# Altium PCB cyber60-alps.PcbDoc (part 2 of 4)
Units mm, origin at the board's own origin, x right, y up, seen from the top; angles counter-clockwise.
Board outline 284.73 x 94.2 mm, 2 copper layers (Component Side, Bottom Layer), stack 1.571 mm thick; 243 components, 151 nets, 841 pads, 663 vias.
Unrouted connection lines stored in the file: 6.
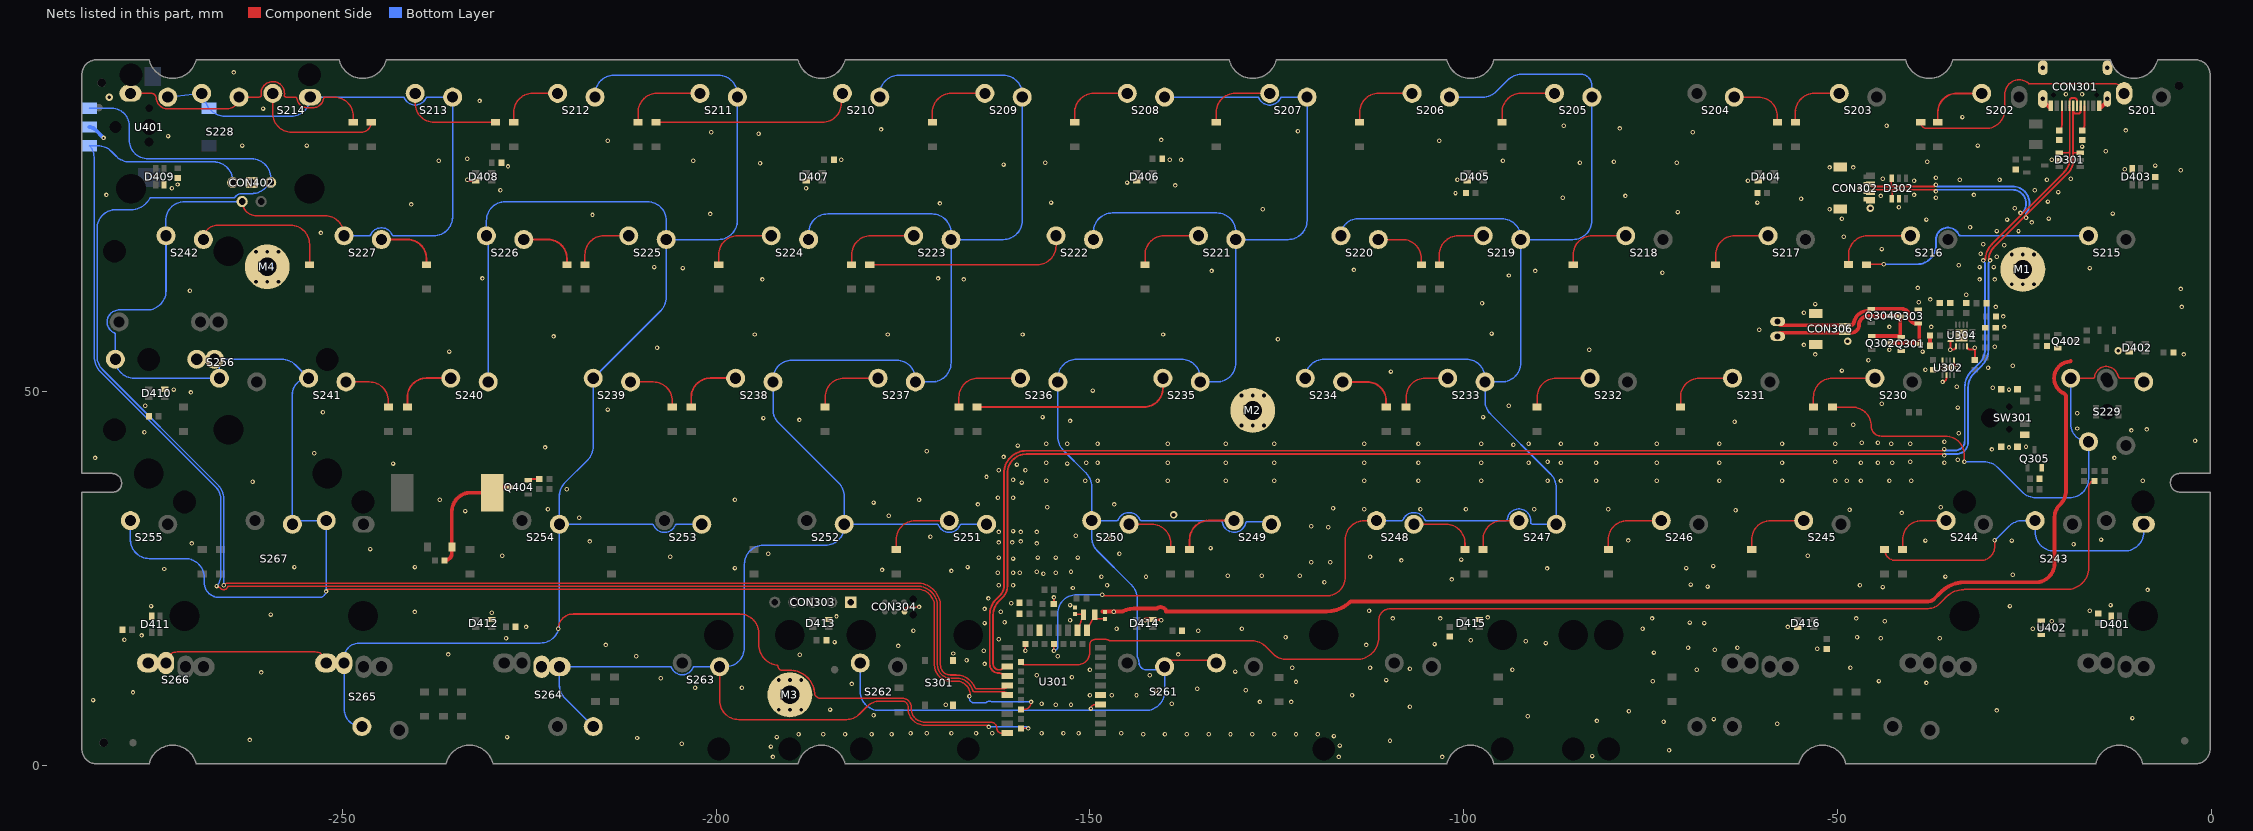
[diagram p2: the nets of this part, all layers, seen from the top]

## Via types
v1: diameter 0.6, hole 0.3, Component Side to Bottom Layer, tented both sides, 651 vias
v2: diameter 1, hole 0.5, Component Side to Bottom Layer, tented both sides, 5 vias
v3: diameter 1.5, hole 0.75, Component Side to Bottom Layer, tented both sides, 5 vias
v4: diameter 1.5, hole 0.8, Component Side to Bottom Layer, tented both sides, 2 vias

## Nets (pads, with @x,y where several pads share a name; then routed paths per layer and width w, separated by ;. In a path a pad name is that pad's centre, name@x,y a point inside that pad or via, vN(x,y) a via of type N, cw(c..) or ccw(c..) an arc to the next point about the centre after c; other vN are vias at no path point) (continued)
col3: S205.2 S206.2 S219.2 S220.2 S233.2 S234.2 S247.2 S248.2 U301.18 | length 237.1
  Component Side w0.203: v1(-154.813,15.367) U301.18@-154.813,16.256 ; v1(-148.336,22.86) -148.229,22.86 -148.057,22.689 -118.364,22.689 ccw(c-118.364,25.229) -115.824,25.229 -115.824,30.225 cw(c-113.284,30.225) -113.284,32.765 S248.2@-111.662,32.765
  Bottom Layer w0.203: v1(-154.813,15.367) ccw(c-154.813,15.875) -154.305,15.875 -154.305,20.32 cw(c-151.765,20.32) -151.765,22.86 v1(-148.336,22.86) ; S234.2@-121.187,51.815 ccw(c-120.687,51.815) S234.2@-120.687,51.315 ; S234.2@-121.187,51.815 cw(c-118.647,51.816) -118.647,54.356 -99.677,54.356 cw(c-99.677,51.816) -97.137,51.816 S233.2@-97.137,51.315 ; S220.2@-115.925,70.365 cw(c-115.925,70.865) S220.2@-116.425,70.865 cw(c-114.138,70.865) -114.138,73.152 -94.915,73.152 cw(c-94.915,70.612) -92.375,70.612 S219.2@-92.375,70.365 ; S248.2@-111.662,32.765 -108.292,32.765 ccw(c-108.292,32.968) -108.105,32.888 cw(c-106.662,32.265) -105.219,32.887 ccw(c-105.033,32.968) -105.033,32.765 -94.375,32.765 ccw(c-94.375,32.968) -94.174,32.945 cw(c-92.612,32.765) -91.051,32.944 ; S206.2@-101.9,89.415 -97.438,89.415 ccw(c-97.438,91.955) -95.642,90.159 -94.089,91.712 cw(c-92.293,89.916) -92.293,92.456 -84.328,92.456 cw(c-84.328,90.978) -82.85,90.978 S205.2@-82.85,89.415 -82.85,72.905 cw(c-85.39,72.905) -85.39,70.365 S219.2@-92.375,70.365 ; -91.118,33.252 cw(c-92.612,32.765) -91.051,32.944 ; S233.2@-97.137,51.315 -97.137,48.804 ccw(c-94.597,48.804) -96.394,47.008 -88.356,38.971 cw(c-90.152,37.175) -87.612,37.175 S247.2@-87.612,32.265 -90.558,32.265 cw(c-90.558,33.147) -90.942,32.353 cw(c-90.852,32.535) -91.054,32.562 ccw(c-92.612,32.765) -91.051,32.944 ; S233.2@-97.137,51.315 -94.915,51.315 ccw(c-94.915,53.855) -92.375,53.855 S219.2@-92.375,70.365
col4: S207.2 S208.2 S221.2 S222.2 S235.2 S236.2 S249.2 S250.2 S261.1 S262.2 U301.4 | length 250.6
  Component Side w0.203: v1(-149.86,7.62) cw(c-149.344,7.62) -149.344,8.136 U301.4@-148.563,8.136 ; S261.1@-139.999,13.215 cw(c-139.117,13.215) -139.117,14.097 -133.475,14.097 S261.1@-133.093,13.715
  Bottom Layer w0.203: S262.2@-180.718,13.715 -180.718,9.906 ccw(c-178.178,9.906) -178.178,7.366 -142.539,7.366 ccw(c-142.539,9.906) -139.999,9.906 S261.1@-139.999,13.215 cw(c-140.387,13.215) -140.387,12.827 -142.475,12.827 cw(c-142.475,13.781) -143.428,13.731 ; S222.2@-149.525,70.365 -149.525,71.374 cw(c-146.985,71.374) -146.985,73.914 -133.015,73.914 cw(c-133.015,71.374) -130.475,71.374 S221.2@-130.475,70.365 ; -143.435,13.57 ccw(c-144.999,13.715) -143.428,13.731 ; S208.2@-140,89.415 -127.581,89.415 cw(c-127.58,89.212) -127.393,89.292 ccw(c-125.95,89.915) -124.507,89.292 cw(c-124.32,89.212) -124.319,89.415 S207.2@-120.95,89.415 -120.95,72.905 cw(c-123.49,72.905) -123.49,70.365 S221.2@-130.475,70.365 ; S261.1@-133.872,12.936 -133.593,13.215 ccw(c-133.593,13.715) S261.1@-133.093,13.715 ; S249.2@-125.712,32.265 -125.997,32.549 ccw(c-126.14,32.405) -126.14,32.609 -128.975,32.609 ccw(c-128.974,32.405) -129.173,32.448 cw(c-130.712,32.765) -132.274,32.586 ccw(c-132.475,32.562) -132.474,32.765 -138.536,32.765 ccw(c-138.535,32.562) -138.59,32.757 cw(c-138.811,33.528) -139.032,32.757 ccw(c-139.087,32.562) -139.086,32.765 -143.134,32.765 cw(c-143.133,32.968) -143.319,32.887 ccw(c-144.762,32.265) -146.206,32.887 cw(c-146.392,32.968) -146.391,32.765 S250.2@-149.762,32.765 ; S250.2@-149.762,32.765 -149.762,37.321 ccw(c-152.328,37.321) -150.514,39.135 -153.554,42.175 cw(c-151.74,43.989) -154.305,43.989 -154.305,46.355 ccw(c-154.347,46.397) -154.287,46.397 S236.2@-154.287,51.315 -154.287,51.816 cw(c-151.747,51.816) -151.747,54.356 -137.777,54.356 cw(c-137.777,51.816) -135.237,51.816 S235.2@-135.237,51.315 -133.015,51.315 ccw(c-133.015,53.855) -130.475,53.855 S221.2@-130.475,70.365 ; S250.2@-149.762,32.765 -149.762,30.556 ccw(c-147.197,30.556) -149.011,28.742 -144.42,24.151 cw(c-146.234,22.337) -143.669,22.337 -143.669,14.606 ccw(c-143.465,14.607) -143.641,14.506 cw(c-144.999,13.715) -143.589,14.408 cw(c-144.999,13.715) -143.428,13.731
col5: S209.2 S210.2 S223.2 S224.2 S237.2 S238.2 S251.2 S252.2 S263.2 S264.1 U301.42 | length 277.6
  Component Side w0.203: S263.2@-199.531,13.215 -199.531,8.688 ccw(c-196.991,8.688) -196.991,6.148 -182.561,6.148 ccw(c-182.561,8.571) -180.848,6.858 -179.836,7.87 cw(c-178.04,6.074) -178.04,8.614 -175.112,8.614 cw(c-175.112,7.812) -174.515,8.347 cw(c-174.667,8.212) -174.511,8.342 -174.483,8.309 cw(c-174.639,8.179) -174.48,8.305 cw(c-175.112,7.812) -174.311,7.812 -174.311,7.62 ccw(c-172.085,7.62) -174.268,7.185 -174.267,7.184 ccw(c-172.085,7.62) -172.746,5.495 cw(c-172.806,5.301) -172.741,5.493 ccw(c-172.145,7.239) -172.145,5.394 v1@-163.576,5.394 ; U301.42@-159.213,4.961 v1(-158.242,4.961) v1@-158.242,4.953
  Bottom Layer w0.203: S264.1@-216.437,5.215 -220.218,8.996 cw(c-218.422,10.792) -220.962,10.792 S264.1@-220.962,13.215 -206.162,13.215 cw(c-206.161,13.012) -205.974,13.092 ccw(c-204.531,13.715) -203.088,13.092 cw(c-202.901,13.012) -202.9,13.215 S263.2@-199.531,13.215 -198.755,13.215 ccw(c-198.755,15.755) -196.215,15.755 -196.215,26.924 cw(c-193.675,26.924) -193.675,29.464 -185.402,29.464 ccw(c-185.402,32.004) -182.862,32.004 S252.2@-182.862,32.265 ; S224.2@-187.625,70.365 -187.625,71.247 cw(c-185.085,71.247) -185.085,73.787 -171.115,73.787 cw(c-171.115,71.247) -168.575,71.247 S223.2@-168.575,70.365 ; S210.2@-178.1,89.415 -178.1,89.789 cw(c-175.56,89.789) -175.56,92.329 -161.59,92.329 cw(c-161.59,89.789) -159.05,89.789 S209.2@-159.05,89.415 -159.05,72.905 cw(c-161.59,72.905) -161.59,70.365 S223.2@-168.575,70.365 ; S251.2@-163.812,32.265 -167.182,32.265 ccw(c-167.183,32.062) -167.369,32.142 cw(c-168.812,32.765) -170.255,32.142 ccw(c-170.442,32.062) -170.443,32.265 S252.2@-182.862,32.265 ; v1(-163.529,5.16) -158.441,5.16 cw(c-158.441,4.961) v1(-158.242,4.961) ; S252.2@-182.862,32.265 -182.862,36.014 ccw(c-185.402,36.014) -183.606,37.81 -191.644,45.848 cw(c-189.847,47.644) -192.387,47.644 S238.2@-192.387,51.315 -192.387,51.689 cw(c-189.847,51.689) -189.847,54.229 -175.877,54.229 cw(c-175.877,51.689) -173.337,51.689 S237.2@-173.337,51.315 -171.115,51.315 ccw(c-171.115,53.855) -168.575,53.855 S223.2@-168.575,70.365
col6: S211.2 S212.2 S225.2 S226.2 S239.2 S240.2 S253.2 S254.2 S265.2 S266.2 U301.43 | length 314.7
  Component Side w0.203: S266.2@-273.587,13.715 cw(c-272.105,13.715) -272.105,15.197 -253.632,15.197 cw(c-253.632,13.715) S265.2@-252.15,13.715 ; v1(-221.107,18.288) cw(c-219.125,18.288) -219.125,20.27 -196.85,20.27 cw(c-196.85,17.73) -194.31,17.73 -194.31,16.208 ccw(c-191.516,16.208) -193.288,14.048 ccw(c-191.516,16.208) -191.906,13.442 cw(c-191.934,13.241) -191.732,13.265 ccw(c-191.135,13.335) -191.263,12.747 ccw(c-191.135,13.335) -191.015,12.745 cw(c-190.976,12.546) -191.011,12.746 cw(c-190.976,12.546) -190.97,12.749 ccw(c-190.952,13.335) -190.952,12.749 -190.26,12.749 ccw(c-190.258,13.152) -190.243,12.749 cw(c-190.119,9.45) -190.127,12.752 -190.119,12.752 cw(c-190.119,9.45) -189.105,12.592 cw(c-190.119,9.45) -186.825,9.679 ; -187.036,10.633 cw(c-190.119,9.45) -186.825,9.679 ; U301.43@-161.063,4.326 -161.806,4.326 cw(c-161.806,4.953) -162.433,4.953 ccw(c-163.278,4.953) -163.278,5.798 -172.085,5.798 cw(c-172.085,7.62) -173.023,6.057 cw(c-172.085,7.62) -173.907,7.62 -173.907,7.812 ccw(c-175.112,7.812) -175.112,9.017 -186.098,9.017 cw(c-186.098,9.748) -186.817,9.617 cw(c-186.221,9.724) -186.825,9.679
  Bottom Layer w0.203: S265.2@-249.809,14.295 cw(c-247.721,14.295) -247.721,16.383 -223.502,16.383 ccw(c-223.502,18.923) -220.962,18.923 S254.2@-220.962,32.265 ; S265.2@-249.769,13.715 -249.769,7.596 ccw(c-247.388,7.596) S265.2@-247.388,5.215 ; S240.2@-230.487,51.315 -230.487,70.628 ccw(c-230.725,70.628) S226.2@-230.725,70.865 -230.725,72.898 cw(c-228.185,72.898) -228.185,75.438 -209.215,75.438 cw(c-209.215,72.898) -206.675,72.898 S225.2@-206.675,70.365 ; S212.2@-216.2,89.415 -216.2,89.789 cw(c-213.66,89.789) -213.66,92.329 -199.69,92.329 cw(c-199.69,89.789) -197.15,89.789 S211.2@-197.15,89.415 -197.15,72.905 cw(c-199.69,72.905) -199.69,70.365 S225.2@-206.675,70.365 ; S253.2@-201.912,32.265 -205.282,32.265 ccw(c-205.283,32.062) -205.469,32.142 cw(c-206.912,32.765) -208.355,32.142 ccw(c-208.542,32.062) -208.543,32.265 S254.2@-220.962,32.265 ; S254.2@-220.962,32.265 -220.962,36.05 cw(c-218.422,36.05) -220.218,37.846 -217.181,40.883 ccw(c-218.977,42.679) -216.437,42.679 S239.2@-216.437,51.815 -207.419,60.834 ccw(c-209.215,62.63) -206.675,62.63 S225.2@-206.675,70.365
col7: CON401.2 S213.2 S214.2 S227.2 S228.1 S241.2 S242.2 S255.2 S256.2 S267.1 U301.38 U401.2 | length 337.4
  Component Side w0.203: CON401.2@-263.398,75.438 ccw(c-261.493,75.438) -261.493,73.533 -252.315,73.533 cw(c-252.315,70.993) -249.775,70.993 S227.2@-249.775,70.865 ; v1(-252.17,23.293) cw(c-251.863,23.293) -251.863,23.6 -248.793,23.6 -174.625,23.6 -173.101,23.6 cw(c-173.101,21.292) -172.313,23.461 cw(c-173.101,21.292) -171.295,22.729 ; -171.28,22.71 cw(c-173.101,21.292) -170.793,21.292 -170.793,13.44 ccw(c-168.656,13.44) -170.693,12.794 -170.684,12.766 ccw(c-168.656,13.44) -170.065,11.833 ccw(c-168.656,13.44) -169.37,11.426 ccw(c-168.656,13.44) -168.656,11.303 -167.894,11.303 cw(c-167.894,9.398) v1@-165.989,9.398 ; U301.38@-159.213,7.501 -158.869,7.501 ccw(c-158.869,8.509) v1(-157.861,8.509)
  Bottom Layer w0.203: S255.2@-278.35,32.765 -278.35,30.226 ccw(c-275.81,30.226) -275.81,27.686 -271.018,27.686 cw(c-271.018,25.146) -268.478,25.146 -268.478,24.511 ccw(c-266.446,24.511) -266.446,22.479 -253.071,22.479 ccw(c-253.071,23.355) v1@-252.195,23.355 ; S242.2@-273.939,71.445 -273.627,71.445 -273.627,72.898 cw(c-271.087,72.898) -271.087,75.438 CON401.2@-263.398,75.438 ; S242.2@-273.587,70.865 -273.587,63.48 cw(c-276.127,63.48) -276.127,60.94 -279.785,60.94 ccw(c-279.861,59.345) -279.937,60.94 ccw(c-279.861,59.345) -280.512,57.887 cw(c-280.615,57.655) -280.361,57.653 S256.2@-280.361,54.345 ccw(c-277.831,54.345) -277.831,51.815 S256.2@-266.45,51.815 -266.45,53.696 ccw(c-267.099,53.696) S256.2@-267.099,54.345 -258.094,54.345 cw(c-258.094,51.805) -256.298,53.601 S241.2@-254.512,51.815 ccw(c-254.512,49.647) -254.552,51.815 ccw(c-254.512,49.647) -256.68,49.647 S267.1@-256.68,32.265 cw(c-256.18,32.265) -256.18,32.765 S267.1@-252.155,32.765 v1@-252.155,23.395 ; S228.1@-273.344,89.415 S228.1@-268.819,89.915 U401.2@-267.844,87.915 -267.541,87.612 ccw(c-265.745,89.408) -265.745,86.868 -256.84,86.868 ccw(c-256.84,89.408) -254.3,89.408 S214.2@-254.3,89.415 -241.881,89.415 cw(c-241.88,89.212) -241.693,89.292 ccw(c-240.25,89.915) -238.807,89.292 cw(c-238.62,89.212) -238.619,89.415 S213.2@-235.25,89.415 -235.25,73.405 cw(c-237.79,73.405) -237.787,70.865 cw(c-237.79,73.405) -237.79,70.865 -243.145,70.865 cw(c-243.145,71.068) -243.332,70.987 ccw(c-244.775,70.365) -246.218,70.988 cw(c-246.405,71.068) -246.405,70.865 S227.2@-249.775,70.865 ; v1(-166.116,9.271) -166.116,9.017 ccw(c-165.481,9.017) -165.681,8.414 ccw(c-165.618,8.607) -165.619,8.404 -163.977,8.404 ccw(c-163.978,8.607) -163.845,8.454 cw(c-163.449,8.001) -163.166,8.532 ; -163.595,8.585 cw(c-163.449,8.001) -163.167,8.532 ; v1(-157.861,8.509) -163.073,8.509 cw(c-163.072,8.712) -163.166,8.532
D_N: CON301.A7 CON301.B7 CON302.2 D301.6 D302.6 U301.29 | length 238.1
  Component Side w0.254: U301.29@-161.063,13.216 -161.126,13.216 ccw(c-161.126,12.522) -161.616,13.013 cw(c-162.107,13.503) -162.107,12.81 -162.179,12.81 cw(c-162.179,13.572) -162.941,13.572 -162.941,20.157 cw(c-160.401,20.157) -162.197,21.953 -161.67,22.48 ccw(c-163.201,24.011) -161.036,24.011 -161.036,39.116 cw(c-158.496,39.116) -158.496,41.656 v1@-35.941,41.656 ; CON302.2@-45.625,77.75 ccw(c-45.354,77.75) -45.354,77.479 -42.799,77.479 ; D302.6@-42.733,78.591 ccw(c-42.733,78.525) -42.799,78.525 -42.799,77.479 ; v1(-36.83,77.68) cw(c-37.031,77.68) -37.031,77.479 -42.799,77.479 ; v1@-29.769,67.593 cw(c-27.229,67.593) -29.025,69.389 -19.18,79.234 ccw(c-20.887,80.942) -18.567,80.271 ccw(c-20.887,80.942) -18.471,80.942 -18.471,81.915 ; CON301.A7@-18.471,87.525 -18.471,81.915 ; CON301.A7@-18.427,87.525 ccw(c-18.1,87.525) -18.1,87.198 -17.8,87.198 ccw(c-17.8,87.525) -17.473,87.525 -17.473,88.144 cw(c-17.219,88.144) CON301.B7@-17.45,88.25 ; D301.6@-17.548,81.976 -18.324,81.976 ccw(c-18.324,81.768) -18.471,81.915
  Bottom Layer w0.254: v1(-36.83,77.68) ccw(c-36.629,77.68) -36.629,77.479 -26.602,77.479 cw(c-26.602,75.184) -24.308,75.184 cw(c-26.605,75.184) -24.775,73.795 cw(c-24.801,73.77) -24.765,73.77 v1(-24.765,73.279) ; v1(-35.72,41.478) cw(c-35.521,41.478) -35.521,41.678 -34.079,41.678 ccw(c-34.079,43.245) -32.512,43.245 -32.512,50.615 cw(c-29.947,50.615) -31.761,52.429 -30.691,53.498 ccw(c-32.827,55.633) -29.807,55.633 -29.807,67.056 cw(c-29.328,67.056) -29.667,67.395 -29.657,67.404 ccw(c-29.817,67.564) v1(-29.591,67.564)
D_P: CON301.A6 CON301.B6 CON302.3 D301.1 D302.1 U301.31 | length 239.2
  Component Side w0.254: U301.31@-161.063,11.946 -161.126,11.946 cw(c-161.126,12.64) -161.616,12.149 ccw(c-162.107,11.659) -162.107,12.352 -162.179,12.352 cw(c-162.179,13.572) -163.398,13.572 -163.398,20.158 cw(c-160.404,20.158) -163.398,20.162 cw(c-160.404,20.158) -162.521,22.275 -161.994,22.802 ccw(c-163.204,24.012) -161.493,24.012 -161.493,39.116 cw(c-158.496,39.116) -158.496,42.113 -35.941,42.113 ; CON302.3@-45.625,76.75 cw(c-45.354,76.75) -45.354,77.021 -42.672,77.021 ; D302.1@-42.733,75.841 ccw(c-42.733,75.902) -42.672,75.902 -42.672,77.021 ; v1(-36.83,76.8) ccw(c-37.051,76.8) -37.051,77.021 -42.672,77.021 ; v1@-30.226,67.594 cw(c-27.232,67.594) -29.35,69.71 cw(c-27.232,67.594) -29.349,69.711 -19.673,79.387 ccw(c-21.469,81.184) -19.107,80.249 ccw(c-19.453,80.51) -19.02,80.51 ccw(c-21.469,81.184) -18.929,81.184 -18.929,82.042 ; D301.1@-20.298,81.976 -19.088,81.976 ccw(c-19.088,82.201) -18.929,82.042 ; CON301.B6@-18.95,88 cw(c-19.002,87.948) -18.929,87.948 -18.929,82.042 ; CON301.B6@-18.95,88.25 ccw(c-19.181,88.356) -18.927,88.357 -18.927,88.975 cw(c-18.6,88.975) -18.6,89.302 -18.3,89.302 cw(c-18.3,88.975) -17.973,88.975 -17.973,88.356 ccw(c-17.719,88.356) CON301.A6@-17.95,88.25
  Bottom Layer w0.254: v1(-36.83,76.8) cw(c-36.609,76.8) -36.609,77.021 -26.602,77.021 cw(c-26.602,75.184) -24.765,75.184 cw(c-26.605,75.184) v1@-25.304,73.883 ; v1(-35.72,42.334) ccw(c-35.521,42.334) -35.521,42.135 -34.268,42.135 ccw(c-34.268,43.434) -32.969,43.434 -32.969,50.616 cw(c-29.949,50.616) -32.085,52.751 -31.015,53.821 ccw(c-32.829,55.635) -30.264,55.635 -30.264,67.056 ccw(c-30.743,67.056) -30.404,67.395 -30.414,67.404 cw(c-30.254,67.564) v1(-30.48,67.564)
  other v1: -25.527,73.914
ENC_A: CON402.3 U301.35 U401.A | length 205.4
  Component Side w0.203: v1(-266.827,24.003) ccw(c-266.7,24.003) -266.7,23.876 -266.54,23.876 cw(c-266.539,23.673) -266.371,23.788 ccw(c-265.876,24.13) -265.513,23.65 ccw(c-265.876,24.13) -265.327,23.883 cw(c-265.142,23.8) -265.141,24.003 -263.525,24.003 -263.398,24.003 -175.133,24.003 -173.101,24.003 cw(c-173.101,21.292) -170.979,22.979 cw(c-171.295,22.729) -170.973,22.972 ccw(c-170.811,23.095) -170.969,22.967 cw(c-171.28,22.71) -170.963,22.959 cw(c-173.101,21.292) -170.824,22.764 cw(c-173.101,21.292) -170.39,21.292 -170.39,13.44 ccw(c-168.656,13.44) -170.309,12.917 -170.301,12.892 ccw(c-168.656,13.44) -168.656,11.706 -167.894,11.706 cw(c-167.894,9.398) -167.272,11.621 cw(c-167.894,9.398) -166.857,11.46 cw(c-167.894,9.398) -165.9,10.561 cw(c-167.894,9.398) -165.678,10.043 ; -165.76,10.277 cw(c-167.894,9.398) -165.678,10.043 ; U301.35@-161.063,9.406 ccw(c-161.541,9.406) -161.541,9.884 -165.332,9.884 cw(c-165.332,10.922) -165.521,9.901 cw(c-165.483,10.101) -165.678,10.043
  Bottom Layer w0.203: U401.A@-283.843,82.914 cw(c-285.375,81.384) -283.21,81.384 -283.21,55.281 ccw(c-280.67,55.281) -283.207,55.165 cw(c-283.41,55.156) -283.207,55.155 -283.207,54.748 ccw(c-280.264,54.748) -282.346,52.667 -266.907,37.229 cw(c-267.051,37.085) -266.905,37.227 ; U401.A@-283.844,82.915 -282.716,82.915 cw(c-282.716,80.375) -280.92,82.171 -280.24,81.491 ccw(c-278.444,83.287) -278.444,80.747 -267.208,80.747 cw(c-267.208,78.207) -264.668,78.207 CON402.3@-264.668,77.978 ; -266.905,37.226 cw(c-268.323,35.811) -266.591,36.819 ; v1(-266.827,24.003) ccw(c-268.149,25.325) -266.279,25.325 -266.279,35.716 ccw(c-268.416,35.716) -266.564,36.783 ccw(c-266.741,36.682) -266.591,36.819
ENC_B: CON402.1 U301.33 U401.B | length 227.7
  Component Side w0.203: v1(-265.876,24.13) cw(c-265.208,23.462) -265.208,24.406 -173.101,24.406 cw(c-173.101,21.292) -170.662,23.228 cw(c-171.295,22.729) -170.655,23.22 ccw(c-170.495,23.344) -170.653,23.218 cw(c-171.28,22.71) -170.644,23.206 cw(c-173.101,21.292) -169.986,21.292 -169.986,13.44 ccw(c-168.656,13.44) -169.924,13.039 -169.918,13.019 ccw(c-168.656,13.44) -169.288,12.269 ccw(c-168.656,13.44) -168.656,12.11 -167.894,12.11 cw(c-167.894,9.398) -166.642,11.803 cw(c-167.894,9.398) -165.613,10.864 cw(c-167.894,9.398) -165.38,10.413 ccw(c-165.192,10.49) -165.193,10.287 -161.452,10.287 ccw(c-161.452,10.676) U301.33@-161.063,10.676
  Bottom Layer w0.203: U401.B@-283.844,87.915 -280.828,87.915 cw(c-280.828,85.598) -278.511,85.598 -278.511,83.69 ccw(c-275.971,83.69) -275.971,81.15 -262.128,81.15 cw(c-262.128,78.61) -259.588,78.61 CON402.1@-259.588,77.978 -260.309,77.257 cw(c-262.105,79.053) -261.521,76.581 cw(c-262.105,79.053) -262.105,76.513 -263.333,76.513 ccw(c-263.406,75.299) -264.436,75.946 -275.608,75.946 ccw(c-275.609,75.743) -275.788,75.839 cw(c-278.257,77.16) -277.675,74.421 cw(c-278.257,77.16) -278.496,74.37 ; -278.497,74.37 ccw(c-278.513,74.167) -278.514,74.371 -280.267,74.371 ccw(c-280.267,71.831) -282.702,72.553 ccw(c-280.267,71.831) -282.807,71.831 -282.807,70.993 -282.804,70.99 -282.804,54.748 ccw(c-280.264,54.748) -282.06,52.952 -266.62,37.512 cw(c-268.416,35.716) -265.876,35.716 v1(-265.876,24.13)
GND: C301.1 C302.1 C303.1 C304.1 C305.1 C307.1 C308.1 C309.1 C310.1 C311.1 C312.1 C313.1 C401.1 C402.1 C403.1 C404.1 C405.1 C406.1 C407.1 C408.1 C409.1 C410.1 C411.1 C412.1 C413.1 C414.1 C415.1 C416.1 CON301.A1B12 CON301.B1A12 CON301.S1 CON302.4 CON302.5 CON303.1 CON304.5 CON306.3 CON402.2 D301.2 D302.2 D401.3 D402.3 D403.3 D404.3 D405.3 D406.3 D407.3 D408.3 D409.3 D410.3 D411.3 D412.3 D413.3 D414.3 D415.3 D416.3 M1.1 M2.1 M3.1 M4.1 Q301.2 Q303.2 Q305.2 Q402.2 Q404.2 R301.2 R302.2 R306.2 R307.2 R308.2 R310.2 R313.2 R315.2 R403.2 R407.2 S301.1 SW301.3 SW301.M U301.5 U301.21 U301.24 U302.1 U302.4 U302.6 U302.9 U304.4 U304.5 U304.8 U304.17 U401.C U402.1 U402.3 | length 183.3
  Component Side w0.203: v1(-158.623,15.367) U301.24@-158.623,16.256 ; -19.431,44.196 ccw(c-19.407,44.196) -19.407,44.172
  Component Side w0.254: Q404.2@-225.114,38.161 cw(c-224.735,37.782) -224.735,38.318 R407.2@-223.678,38.318 ; C305.1@-154.813,21.605 v1(-154.813,22.479) ; v1@-35.941,51.308 v1(-35.937,51.308) ccw(c-35.937,51.816) -35.429,51.816 ; U304.4@-34.851,56.781 -34.851,55.805 cw(c-35.104,55.805) v1(-34.925,55.626) -34.606,55.626 ccw(c-34.606,56.081) U304.5@-34.151,56.081 ; U302.1@-34.429,54.158 ccw(c-33.096,54.158) -34.039,53.216 v1(-34.036,53.213) ; U304.8@-32.651,56.081 ccw(c-32.196,56.081) -32.196,55.626 -31.877,55.626 ccw(c-31.877,55.88) v1(-31.623,55.88) -31.608,55.88 C308.1@-31.608,54.61
  Component Side w0.305: v1(-233.299,78.359) ccw(c-232.915,78.743) -232.915,78.2 D408.3@-232.148,78.2 ; CON304.5@-174.799,20.574 cw(c-174.164,20.574) -174.164,21.209 v1(-172.847,21.209) ; D414.3@-141.585,19.55 -141.522,19.487 -140.518,19.487 v1(-140.462,19.431)
  Component Side w0.5: C312.1@-37.607,56.134 C313.1@-37.607,57.531 ; -19.431,44.196 -19.431,49.337 ccw(c-19.931,49.339) -19.722,49.793 cw(c-18.794,51.815) -19.722,53.837 cw(c-18.794,51.815) -19.72,53.838 cw(c-18.794,51.815) -18.993,54.031 ccw(c-19.038,54.529) -18.78,54.101
  Component Side w0.508: -148.336,20.619 -145.594,20.619 cw(c-144.119,17.897) -145.43,20.701 cw(c-144.119,17.897) -144.896,20.893 cw(c-144.119,17.897) -144.119,20.992 -141.041,20.992 cw(c-140.532,20.437) -139.8,20.619 -118.364,20.619 ccw(c-118.364,25.229) -115.259,21.821 cw(c-114.917,21.446) -114.915,21.954 -37.889,21.954 ccw(c-37.889,23.132) -37.062,22.293 -37.055,22.3 -36.267,23.088 ccw(c-36.626,23.447) -36.257,23.098 cw(c-32.994,20.01) -34.502,24.242 ; v1(-142.621,19.431) cw(c-142.502,19.431) -142.502,19.55 D414.3@-141.585,19.55 ; -35.416,23.794 cw(c-32.943,19.931) -33.202,24.51 cw(c-32.943,19.931) -33.187,24.511 -26.67,24.511 -23.495,24.511 ccw(c-23.495,27.051) -20.955,27.051 -20.955,33.265 cw(c-18.787,33.265) -20.32,34.798 -20.175,34.943 ccw(c-21.971,36.739) -19.431,36.739 -19.431,44.196 ; CON301.S1@-22.52,88.915 -21.715,88.11 ccw(c-21.45,88.374) CON301.B1A12@-21.45,88 ; CON301.A1B12@-14.95,88 ccw(c-14.95,88.374) -14.685,88.11 CON301.S1@-13.88,88.915
  Bottom Layer w0.508: U401.C@-283.844,85.415 cw(c-283.844,84.362) -283.1,85.107 v1(-281.94,83.947)
  other v1: -192.405,1.143 -116.713,1.143 -102.87,1.143 -82.804,1.27 -72.517,2.032 -192.659,2.54 -116.586,2.667 -204.597,2.921 -109.855,3.302 -262.382,3.429 -210.566,3.683 -227.971,3.809 -191.897,3.81 -117.348,3.937 -188.976,4.191 -185.674,4.191 -182.753,4.191 -179.197,4.191 -176.53,4.191 -142.875,4.191 -139.954,4.191 -137.033,4.191 -134.112,4.191 -131.191,4.191 -128.27,4.191 -125.349,4.191 -122.428,4.191 -119.507,4.191 -171.831,4.318 -168.529,4.318 -163.068,4.318 -151.511,4.318 -145.796,4.318 -173.99,4.333 -165.227,4.333 -156.464,4.333 -153.543,4.333 -58.039,5.588 -73.259,5.843 -82.169,5.969 -66.548,6.223 -10.541,6.35 -91.44,6.604 -178.943,6.731 -77.886,7.251 -28.702,7.366 -184.75,7.493 -107.188,7.874 -169.291,8.128 -152.527,8.128 -154.559,8.143 -156.464,8.255 -139.065,8.255 -127.254,8.509 -123.063,8.509 -283.337,8.763 -149.987,9.398 -147.066,9.398 -143.764,9.398 -114.935,9.398 -278.003,9.779 -141.097,10.033 -129.149,10.086 -135.636,10.287 -202.819,10.414 -196.545,10.418 -181.864,10.922 -38.1,11.049 -122.428,11.176 -74.716,11.285 -44.45,11.303 -110.363,11.43 -207.391,11.684 -152.4,11.811 -157.099,12.065 -141.986,12.065 -260.858,12.446 -130.556,12.573 -149.987,12.827 -93.472,12.827 -68.834,12.827 -107.188,12.954 -122.936,13.081 -112.522,13.081 -48.26,13.081 -164.084,13.589 -166.497,14.097 -210.693,14.605 -154.305,14.605 -188.816,14.826 -235.839,14.859 -138.176,14.859 -168.275,14.986 -74.549,15.113 -164.211,15.367 -66.421,15.494 -52.705,15.621 -69.977,15.748 -63.373,15.748 -175.641,16.002 -214.757,16.129 -113.03,16.129 -103.886,16.256 -89.027,16.383 -184.15,16.51 -91.694,16.637 -99.06,16.764 -279.154,16.828 -162.179,16.891 -228.092,17.018 -44.196,17.018 -36.322,17.018 -123.825,17.145 -47.371,17.145 -276.86,17.399 -173.609,18.034 -135.509,18.034 -146.431,18.288 -129.667,18.288 -76.073,18.288 -23.876,18.288 -225.425,18.542 -56.642,18.542 -164.084,19.05 -67.818,19.05 -69.751,19.121 -161.417,19.177 -43.688,19.304 -21.336,19.304 -152.654,19.431 -109.474,19.685 -103.124,19.685 -74.803,19.685 -47.498,19.685 -96.774,19.812 -183.896,19.939 -259.588,20.193 -229.997,20.447 -240.305,20.539 -161.925,20.574 -146.812,20.574 -112.649,20.701 -16.256,20.701 -164.084,20.955 -275.59,21.336 -26.924,21.336 -152.654,21.463 -13.462,21.463 -160.528,21.717 -163.576,22.352 -8.509,23.495 -152.273,23.749 -43.942,23.876 -67.365,23.937 -162.179,24.13 -160.274,24.13 -147.701,24.13 -46.99,24.13 -69.619,24.202 -118.618,24.511 -101.6,24.892 -148.463,25.268 -142.494,25.268 -35.56,25.273 -131.572,25.4 -127,25.4 -121.92,25.4 -26.543,25.527 -156.21,25.654 -160.274,25.781 -159.385,25.781 -154.559,25.781 -162.328,25.803 -157.099,25.908 -152.527,25.908 -168.529,26.035 -177.8,26.162 -273.812,26.289 -88.847,26.37 -197.485,26.416 -70.231,26.416 -256.413,26.543 -240.284,26.543 -166.37,26.543 -66.614,26.677 -120.396,27.178 -117.856,27.178 -108.331,27.432 -100.33,27.559 -160.274,27.686 -162.179,27.813 -156.972,27.813 -154.559,27.813 -151.638,27.813 -206.121,27.94 -112.522,27.94 -228.6,28.067 -53.975,28.067 -193.04,28.321 -146.05,28.321 -246.253,28.956 -133.858,29.083 -18.415,29.591 -270.129,29.718 -157.099,29.718 -162.179,29.845 -160.401,29.845 -216.916,29.972 -159.258,29.972 -38.227,30.099 -26.67,30.099 -77.983,30.108 -14.732,30.226 -147.32,30.353 -171.323,30.607 -151.892,30.734 -162.179,31.242 -159.258,31.242 -157.099,31.242 -160.274,31.369 -118.115,31.886 -120.401,32.013 -218.313,33.147 -176.911,33.401 -41.402,33.782 -233.553,34.036 -63.627,34.163 -48.383,34.2 -222.504,34.29 -113.284,34.29 -105.791,34.29 -99.695,34.29 -90.551,34.29 -80.645,34.29 -117.475,34.417 -155.702,34.544 -36.19,34.535 -164.973,34.925 -146.744,34.93 -178.943,35.179 -236.967,35.56 -197.485,35.56 -172.847,35.56 -162.306,35.814 -160.274,35.814 -219.964,36.957 -159.131,37.846 -262.001,37.973 -155.829,38.1 -150.622,38.1 -148.971,38.1 -139.573,38.1 -131.826,38.1 -125.349,38.1 -113.284,38.1 -106.045,38.1 -97.663,38.1 -88.773,38.1 -86.995,38.1 -82.296,38.1 -74.168,38.1 -65.786,38.1 -57.404,38.1 -50.292,38.1 -48.768,38.1 -46.863,38.1 -43.053,38.1 -40.132,38.1 -9.144,38.1 -160.274,38.227 -163.83,38.608 -162.179,39.497 -158.623,39.497 -159.766,40.259 -243.205,40.386 -153.035,40.386 -155.829,40.513 -150.495,40.513 -148.971,40.513 -139.573,40.513 -131.826,40.513 -125.349,40.513 -113.284,40.513 -106.045,40.513 -97.663,40.513 -91.313,40.513 -86.995,40.513 -82.296,40.513 -74.168,40.513 -65.786,40.513 -57.404,40.513 -46.863,40.513 -44.577,40.513 -42.672,40.513 -35.687,40.513 -88.773,40.64 -50.292,40.64 -40.259,40.64 -33.909,40.894 -283.083,41.148 -12.954,41.148 -161.544,41.275 -253.746,41.783 -171.831,42.037 -29.337,42.291 -222.885,42.545 -27.051,42.545 -24.778,42.644 -159.639,42.799 -93.345,42.926 -155.829,43.053 -153.035,43.053 -148.971,43.053 -139.573,43.053 -131.826,43.053 -125.349,43.053 -113.284,43.053 -106.045,43.053 -97.663,43.053 -91.313,43.053 -86.995,43.053 -82.296,43.053 -74.168,43.053 -65.786,43.053 -57.404,43.053 -50.292,43.053 -42.799,43.053 -40.259,43.053 -46.736,43.18 -44.577,43.18 -35.687,43.307 -2.159,43.434 -33.782,44.45 -276.479,44.577 -10.668,44.831 -8.636,44.958 -17.907,45.085 -47.879,45.593 -63.754,45.974 -152.654,46.101 -188.849,46.228 -193.675,46.482 -156.337,46.609 -97.409,46.609 -17.907,47.117 -252.603,47.244 -214.503,47.625 -33.909,47.879 -276.352,48.133 -93.98,48.133 -44.069,48.387 -270.256,49.911 -149.606,50.165 -272.542,50.292 -27.051,50.292 -29.21,50.546 -34.036,50.673 -109.728,52.705 -49.403,52.832 -38.227,52.959 -36.068,53.213 -29.845,53.213 -26.543,53.467 -45.847,54.229 -52.959,54.991 -3.683,54.991 -235.712,55.372 -38.608,55.372 -83.185,55.626 -43.053,55.626 -207.899,55.88 -28.956,56.007 -54.483,56.261 -124.841,57.023 -221.742,57.404 -33.401,57.531 -194.818,57.658 -177.038,57.658 -159.004,57.658 -140.208,57.658 -96.266,57.785 -60.452,58.293 -43.053,58.674 -37.465,58.674 -27.686,58.674 -27.813,60.071 -54.483,60.579 -28.829,61.341 -3.937,61.341 -52.959,61.722 -97.536,61.849 -39.116,61.976 -37.592,62.357 -32.766,62.992 -270.383,63.5 -4.064,63.754 -39.243,63.881 -193.802,65.024 -166.878,65.024 -30.988,65.024 -28.956,65.024 -231.267,65.151 -170.307,65.151 -93.945,65.552 -73.406,65.913 -133.731,66.167 -90.424,66.167 -114.681,66.294 -204.47,66.548 -16.256,66.548 -208.28,66.675 -30.988,66.675 -29.083,66.675 -33.782,66.929 -28.702,68.072 -30.861,68.453 -44.069,69.088 -27.686,69.596 -30.48,69.723 -49.149,70.739 -252.857,71.247 -28.702,71.501 -25.781,71.501 -32.258,72.009 -24.003,72.644 -38.1,73.025 -27.305,73.025 -49.403,73.152 -21.722,73.161 -216.535,73.66 -200.787,73.787 -13.171,73.835 -71.374,74.041 -126.873,74.422 -51.054,74.422 -26.289,74.549 -41.783,74.676 -240.792,75.057 -170.053,75.184 -155.194,75.311 -60.706,75.311 -21.844,75.438 -54.864,75.819 -86.741,75.946 -36.83,75.946 -78.359,76.2 -44.196,76.2 -281.559,76.327 -39.751,76.327 -31.75,76.327 -101.092,76.581 -20.447,76.708 -228.854,76.962 -23.622,76.962 -272.796,77.216 -187.96,77.216 -46.99,77.216 -138.572,77.597 -272.034,77.724 -145.034,77.978 -61.976,78.232 -39.751,78.232 -100.838,78.359 -33.655,78.359 -28.321,78.359 -21.971,78.359 -43.942,78.486 -18.796,78.486 -36.83,78.613 -4.064,79.629 -11.557,79.756 -51.054,80.01 -47.879,80.01 -227.838,80.137 -7.493,80.264 -161.544,80.391 -194.115,80.554 -155.956,80.645 -84.455,80.645 -71.501,80.645 -79.896,80.767 -37.973,80.772 -237.109,80.899 -203.073,80.899 -94.742,80.899 -183.261,81.026 -139.319,81.026 -137.795,81.026 -21.336,81.026 -233.299,81.153 -14.097,82.169 -17.272,82.804 -263.398,82.931 -254.762,82.931 -31.242,82.931 -214.503,83.566 -103.251,83.566 -140.462,83.693 -273.304,84.201 -194.317,84.518 -200.66,84.709 -69.342,84.709 -122.174,84.836 -11.43,84.963 -177.927,85.09 -79.121,85.217 -86.614,85.598 -43.434,85.598 -33.274,86.741 -260.604,87.884 -231.648,88.9 -19.431,89.789 -17.272,89.789 -264.541,92.71
  other v2: -138.811,33.528 -12.446,55.499 -48.641,56.769 -45.593,74.549 -281.178,89.408
GREEN: R411.1 U301.28 | length 165.6
  Component Side w0.203: U301.28@-159.213,13.851 ccw(c-158.846,13.851) -158.846,13.484 -151.672,13.484 ccw(c-151.672,15.138) -150.018,15.138 -150.018,16.156 cw(c-149.313,16.156) -149.313,16.861 -147.813,16.861 cw(c-147.813,16.156) -147.383,16.714 ccw(c-147.26,16.876) -147.261,16.673 -140.544,16.673 ccw(c-140.545,16.876) -140.503,16.677 cw(c-140.412,16.256) -140.412,16.687 -128.294,16.687 cw(c-128.294,14.147) -126.498,15.943 -125.629,15.074 -125.384,14.829 ccw(c-123.871,16.339) -123.871,14.202 -114.3,14.202 ccw(c-114.3,17.145) -112.84,14.59 ccw(c-114.3,17.145) -111.357,17.145 -111.357,19.431 cw(c-109.793,19.431) -111.218,20.075 cw(c-109.793,19.431) -110.903,20.533 cw(c-110.759,20.389) -110.884,20.55 -110.822,20.597 ccw(c-110.947,20.758) -110.804,20.613 -110.757,20.66 cw(c-110.614,20.516) -110.738,20.677 cw(c-109.793,19.431) -110.539,20.805 cw(c-110.443,20.626) -110.529,20.81 -110.47,20.838 ccw(c-110.557,21.022) -110.465,20.84 -110.418,20.864 cw(c-110.327,20.683) -110.407,20.869 cw(c-109.793,19.431) -109.793,20.995 -37.889,20.995 ccw(c-37.889,23.132) -36.377,21.623 -35.577,22.422 ccw(c-35.863,22.706) -35.569,22.43 cw(c-32.994,20.01) -33.126,23.541 ccw(c-33.135,23.744) -33.098,23.545 cw(c-33.02,23.149) -33.02,23.552 -19.329,23.552 ccw(c-19.329,26.521) -16.382,26.169 ccw(c-19.329,26.521) -16.361,26.521 -16.361,37.345 cw(c-15.621,37.345) -16.347,37.487 cw(c-16.148,37.447) -16.327,37.542 ccw(c-16.593,37.685) -16.296,37.632 cw(c-16.096,37.594) -16.277,37.687 cw(c-15.621,37.345) -15.944,38.011 -15.778,38.049 R411.1@-15.621,38.085
NetBZ401_2: BZ401.2 D417.1 Q404.3 R405.2 | length 16.8
  Component Side w0.5: R405.2@-236.332,27.432 ccw(c-236.332,28.417) -235.347,28.417 D417.1@-235.347,29.21 -235.347,33.96 cw(c-232.807,33.96) -232.807,36.5 BZ401.2@-229.966,36.5 cw(c-229.255,36.5) -229.255,37.211 Q404.3@-227.514,37.211
NetC303_2: C303.2 U301.11 X301.1 | length 4.2
  Component Side w0.203: U301.11@-150.373,18.106 -150.075,18.754 -149.6,19.595 X301.1@-149.352,20.193 -149.352,19.864 -149.104,19.616 C303.2@-147.955,19.616
NetC304_2: C304.2 U301.13 X301.2 | length 3.4
  Component Side w0.203: C304.2@-151.995,20.251 -150.91,20.251 cw(c-150.91,20.193) X301.2@-150.852,20.193 -151.1,19.595 -151.345,18.754 U301.13@-151.643,18.106
NetCON301_A5: CON301.A5 R302.1 | length 3.4
  Component Side w0.254: R302.1@-17.272,84.978 ccw(c-18.049,85.755) -16.95,85.755 -16.95,85.965 ccw(c-17.204,85.966) -16.955,86.017 cw(c-15.9,86.233) -16.955,86.449 ccw(c-17.204,86.5) -16.95,86.501 CON301.A5@-16.95,88.25
NetCON301_B5: CON301.B5 R301.1 | length 3.4
  Component Side w0.254: R301.1@-20.32,84.978 ccw(c-21.213,85.871) -19.95,85.871 CON301.B5@-19.95,88.25
NetCON305_1: CON305.1 CON306.1 Q301.3 Q302.3 Q303.1 Q304.1 | length 28.1
  Component Side w0.5: CON305.1@-58,59.404 ccw(c-57.492,59.404) -57.492,58.896 CON306.1@-49,58.896 -48.27,58.896 ccw(c-48.271,59.396) -47.781,59.298 cw(c-45.908,58.928) -45.908,60.837 -45.899,60.837 ccw(c-45.899,61.337) -45.499,61.037 -45.499,61.062 Q304.1@-45.466,61.087 -41.369,61.087 cw(c-41.369,60.104) -40.386,60.104 -40.386,60.01 ccw(c-39.497,60.01) -39.497,59.121 Q303.1@-39.186,59.121 -39.059,59.121 Q301.3@-39.059,56.515 ; Q302.3@-42.996,56.515 Q301.3@-39.059,56.515 ; Q301.3@-39.059,56.388 Q301.3@-39.059,56.515
NetCON305_2: CON305.2 CON306.2 Q301.1 Q302.1 Q303.3 Q304.3 | length 24.7
  Component Side w0.5: CON305.2@-58,57.404 cw(c-57.508,57.404) -57.508,57.896 CON306.2@-49,57.896 -48.149,57.896 ccw(c-48.149,58.928) -47.117,58.928 cw(c-45.908,58.928) -45.908,60.137 Q304.3@-43.066,60.137 -41.586,60.137 Q303.3@-41.586,60.071 Q301.1@-41.586,57.465 ; Q302.1@-45.396,57.465 Q301.1@-41.586,57.465 ; Q301.1@-41.459,57.338 -41.586,57.338 Q301.1@-41.586,57.465
NetD201_1: D201.1 S201.1 | length 33.1
  Component Side w0.203: D201.1@-38.862,86.05 ccw(c-38.029,86.05) -38.029,85.217 -30.146,85.217 ccw(c-30.146,87.757) -27.606,87.757 -27.606,89.815 cw(c-25.7,89.815) -27.57,90.186 ; -27.57,90.187 cw(c-25.7,89.815) -24.431,91.238 ccw(c-24.296,91.389) -24.296,91.186 -12.921,91.186 cw(c-12.921,89.915) S201.1@-11.65,89.915
NetD202_1: D202.1 S202.1 | length 8.7
  Component Side w0.254: D202.1@-36.576,86.05 -36.576,87.375 cw(c-34.036,87.375) -34.036,89.915 S202.1@-30.7,89.915
NetD203_1: D203.1 S203.1 | length 8.9
  Component Side w0.203: D203.1@-55.626,86.05 -55.626,87.375 cw(c-53.086,87.375) -53.086,89.915 S203.1@-49.75,89.915 ; S203.1@-50.038,90.495 S203.1@-49.79,90.495
NetD204_1: D204.1 S204.1 | length 8
  Component Side w0.203: S204.1@-63.8,89.415 -60.579,89.415 cw(c-60.579,86.875) -58.039,86.875 D204.1@-58.039,86.05
NetD205_1: D205.1 S205.1 | length 9.8
  Component Side w0.203: D205.1@-94.869,86.05 -94.869,87.375 cw(c-92.329,87.375) -92.329,89.915 S205.1@-87.85,89.915
NetD206_1: D206.1 S206.1 | length 9.8
  Component Side w0.203: D206.1@-113.919,86.05 -113.919,87.375 cw(c-111.379,87.375) -111.379,89.915 S206.1@-106.9,89.915
NetD207_1: D207.1 S207.1 | length 9.9
  Component Side w0.203: D207.1@-133.096,86.05 -133.096,87.375 cw(c-130.556,87.375) -130.556,89.915 S207.1@-125.95,89.915
NetD208_1: D208.1 S208.1 | length 10.4
  Component Side w0.203: D208.1@-152.019,86.05 -152.019,87.375 ; -152.019,87.955 -152.019,87.375 ; S208.1@-145,89.915 -149.479,89.915 ccw(c-149.479,87.375) -152.019,87.375
NetD209_1: D209.1 S209.1 | length 9.8
  Component Side w0.203: D209.1@-171.069,86.05 -171.069,87.375 cw(c-168.529,87.375) -168.529,89.915 S209.1@-164.05,89.915
NetD210_1: D210.1 S210.1 | length 28.1
  Component Side w0.203: D210.1@-208.026,86.05 -185.789,86.05 ccw(c-185.789,88.59) -183.249,88.59 -183.249,89.785 ccw(c-185.497,90.495) S210.1@-183.14,90.495
NetD211_1: D211.1 S211.1 | length 11.2
  Component Side w0.203: D211.1@-210.439,85.963 D211.1@-210.439,86.05 -210.439,87.375 cw(c-207.899,87.375) -207.899,89.915 S211.1@-202.15,89.915
NetD212_1: D212.1 S212.1 | length 8.7
  Component Side w0.203: D212.1@-227.076,86.05 -227.076,87.375 cw(c-224.536,87.375) -224.536,89.915 S212.1@-221.2,89.915
NetD213_1: D213.1 S213.1 | length 13.5
  Component Side w0.203: S213.1@-240.25,89.915 -240.25,88.59 ccw(c-237.71,88.59) -237.71,86.05 D213.1@-229.489,86.05
NetD214_1: D214.1 S214.1 | length 18.1
  Component Side w0.203: S214.1@-259.3,89.915 -259.3,87.249 ccw(c-256.76,87.249) -256.76,84.709 -247.467,84.709 ccw(c-247.467,86.05) D214.1@-246.126,86.05
NetD215_1: D215.1 S215.1 | length 33.3
  Component Side w0.203: D215.1@-46.101,67 cw(c-46.045,67) -46.045,67.056 v1(-43.815,67.056)
  Bottom Layer w0.254: v1(-43.815,67.056) -39.362,67.056 ccw(c-39.362,69.596) -36.822,69.596 -36.822,70.355 cw(c-35.225,70.365) -36.605,71.169 cw(c-35.225,70.365) -34.309,71.673 cw(c-35.225,70.365) -34.049,71.445 cw(c-35.225,70.365) -33.767,71.016 ccw(c-33.535,71.119) -33.535,70.865 S215.1@-16.412,70.865
NetD216_1: D216.1 S216.1 | length 11
  Component Side w0.203: D216.1@-48.514,67.04 -48.514,68.325 cw(c-45.974,68.325) -45.974,70.865 S216.1@-40.225,70.865
NetD217_1: D217.1 S217.1 | length 9.8
  Component Side w0.203: D217.1@-66.294,67 -66.294,68.325 cw(c-63.754,68.325) -63.754,70.865 S217.1@-59.275,70.865
NetD218_1: D218.1 S218.1 | length 9.8
  Component Side w0.203: D218.1@-85.344,67 -85.344,68.325 cw(c-82.804,68.325) -82.804,70.865 S218.1@-78.325,70.865
NetD219_1: D219.1 S219.1 | length 8.7
  Component Side w0.203: D219.1@-103.251,67 -103.251,68.325 cw(c-100.711,68.325) -100.711,70.865 S219.1@-97.375,70.865
NetD220_1: D220.1 S220.1 | length 8
  Component Side w0.203: S220.1@-111.425,70.365 -108.204,70.365 cw(c-108.204,67.825) -105.664,67.825 D220.1@-105.664,67
NetD221_1: D221.1 S221.1 | length 9.9
  Component Side w0.203: D221.1@-142.621,67 -142.621,68.325 cw(c-140.081,68.325) -140.081,70.865 S221.1@-135.475,70.865
NetD222_1: D222.1 S222.1 | length 27.7
  Component Side w0.203: D222.1@-179.451,67 -157.065,67 ccw(c-157.065,69.54) -154.525,69.54 S222.1@-154.525,70.865
NetD223_1: D223.1 S223.1 | length 11.1
  Component Side w0.203: D223.1@-181.864,67 -181.864,68.325 cw(c-179.324,68.325) -179.324,70.865 S223.1@-173.575,70.865
NetD224_1: D224.1 S224.1 | length 9.8
  Component Side w0.203: D224.1@-199.644,67 -199.644,68.325 cw(c-197.104,68.325) -197.104,70.865 S224.1@-192.625,70.865
NetD225_1: D225.1 S225.1 | length 8.7
  Component Side w0.203: D225.1@-217.551,67 -217.551,68.325 cw(c-215.011,68.325) -215.011,70.865 S225.1@-211.675,70.865
NetD226_1: D226.1 S226.1 | length 8
  Component Side w0.254: S226.1@-225.725,70.365 -222.504,70.365 cw(c-222.504,67.825) -219.964,67.825 D226.1@-219.964,67
NetD227_1: D227.1 S227.1 | length 8.3
  Component Side w0.254: S227.1@-244.775,70.365 -241.3,70.365 cw(c-241.3,67.825) -238.76,67.825 D227.1@-238.76,67
NetD228_1: D228.1 S228.2 | length 38.3
  Component Side w0.203: S228.2@-278.344,89.915 -275.54,89.915 cw(c-275.54,89.285) -274.916,89.369 cw(c-275.117,89.343) -274.914,89.352 ; -274.91,89.285 cw(c-273.344,89.415) -274.914,89.351 ccw(c-273.344,89.415) -273.433,87.846 ccw(c-273.344,89.415) -273.26,87.846 cw(c-273.249,87.643) -273.248,87.846 -265.388,87.846 ccw(c-265.388,89.415) S228.2@-263.819,89.415 -261.232,89.415 ccw(c-261.232,90.424) -261.008,89.44 ccw(c-261.053,89.638) -260.852,89.67 cw(c-259.3,89.915) -260.676,90.674 cw(c-259.3,89.915) -258.561,91.302 cw(c-259.3,89.915) -257.749,89.659 ccw(c-257.549,89.626) -257.577,89.425 ccw(c-257.429,90.547) -257.429,89.415 -256.293,89.415 cw(c-256.292,89.212) -256.291,89.415 cw(c-256.292,89.212) -256.09,89.238 ccw(c-254.7,89.415) -255.132,88.082 ccw(c-254.7,89.415) -254.7,88.013 -253.9,88.013 ccw(c-253.9,89.415) -253.468,88.082 ccw(c-253.9,89.415) -252.51,89.238 cw(c-252.308,89.212) -252.309,89.415 cw(c-252.308,89.212) -252.307,89.415 -251.079,89.415 cw(c-251.079,86.875) -248.539,86.875 D228.1@-248.539,86.05
NetD229_1: D229.1 S229.1 | length 68.5
  Component Side w0.203: D229.1@-50.673,47.95 -48.031,47.95 cw(c-48.031,45.385) -45.466,45.385 ccw(c-44.15,45.385) -44.15,44.069 -35.56,44.069 cw(c-35.56,41.529) -33.02,41.529 v1(-33.02,40.64) ; S229.1@-18.794,51.815 -15.794,51.815 ccw(c-15.794,52.018) -15.593,51.995 cw(c-14.031,51.815) -12.524,52.26 ccw(c-12.329,52.317) -12.497,52.202 cw(c-13.794,51.315) -12.351,51.938 ccw(c-12.164,52.018) -12.164,51.815 S229.1@-9.532,51.815 ; S229.1@-9.531,51.815 cw(c-9.531,51.315) S229.1@-9.031,51.315
  Bottom Layer w0.203: v1(-33.02,40.64) -30.4,40.64 cw(c-30.4,38.075) -28.586,39.889 -25.262,36.565 ccw(c-23.448,38.379) -23.448,35.814 -18.978,35.814 ccw(c-18.978,38.379) -16.412,38.379 S229.1@-16.412,43.315 cw(c-16.412,45.696) -18.794,45.696 S229.1@-18.794,51.815
NetD230_1: D230.1 S230.1 | length 11
  Component Side w0.203: D230.1@-53.213,47.95 -53.213,49.275 cw(c-50.673,49.275) -50.673,51.815 S230.1@-44.987,51.815
NetD231_1: D231.1 S231.1 | length 9.7
  Component Side w0.203: D231.1@-70.993,47.95 -70.993,49.275 cw(c-68.453,49.275) -68.453,51.815 S231.1@-64.037,51.815
NetD232_1: D232.1 S232.1 | length 9.9
  Component Side w0.203: D232.1@-90.17,47.95 -90.17,49.275 cw(c-87.63,49.275) -87.63,51.815 S232.1@-83.087,51.815
NetD233_1: D233.1 S233.1 | length 8.3
  Component Side w0.203: D233.1@-107.696,47.95 -107.696,49.275 cw(c-105.156,49.275) -105.156,51.815 S233.1@-102.137,51.815
NetD234_1: D234.1 S234.1 | length 8.1
  Component Side w0.254: S234.1@-116.187,51.315 -112.903,51.315 cw(c-112.903,48.775) -110.363,48.775 D234.1@-110.363,47.95
NetD235_1: D235.1 S235.1 | length 27.6
  Component Side w0.254: D235.1@-165.1,47.95 -142.777,47.95 ccw(c-142.777,50.49) -140.237,50.49 S235.1@-140.237,51.815
NetD236_1: D236.1 S236.1 | length 11
  Component Side w0.203: D236.1@-167.513,47.95 -167.513,49.275 cw(c-164.973,49.275) -164.973,51.815 S236.1@-159.287,51.815
NetD237_1: D237.1 S237.1 | length 9.9
  Component Side w0.203: D237.1@-185.42,47.95 -185.42,49.275 cw(c-182.88,49.275) -182.88,51.815 S237.1@-178.337,51.815
NetD238_1: D238.1 S238.1 | length 8.7
  Component Side w0.254: D238.1@-203.327,47.95 -203.327,49.275 cw(c-200.787,49.275) -200.787,51.815 S238.1@-197.387,51.815
NetD239_1: D239.1 S239.1 | length 7.8
  Component Side w0.203: S239.1@-211.437,51.315 -208.407,51.315 cw(c-208.407,48.775) -205.867,48.775 D239.1@-205.867,47.95
NetD240_1: D240.1 S240.1 | length 8.6
  Component Side w0.254: D240.1@-241.3,47.95 -241.3,49.275 cw(c-238.76,49.275) -238.76,51.815 S240.1@-235.487,51.815
NetD241_1: D241.1 S241.1 | length 7.9
  Component Side w0.203: S241.1@-249.512,51.315 -246.38,51.315 cw(c-246.38,48.775) -243.84,48.775 D241.1@-243.84,47.95
NetD242_1: D242.1 S242.1 | length 19.5
  Component Side w0.203: S242.1@-268.587,70.365 cw(c-266.689,70.365) -266.689,72.263 -256.921,72.263 cw(c-256.921,69.723) -254.381,69.723 D242.1@-254.381,67
NetD243_1: D243.1 S243.1 | length 43.8
  Component Side w0.203: D243.1@-43.688,28.9 ccw(c-42.22,28.9) -42.22,27.432 -30.828,27.432 ccw(c-30.826,29.296) -28.965,29.407 -28.965,29.41 v1(-28.986,30.12)
  Bottom Layer w0.203: v1@-28.956,30.099 -27.034,32.021 cw(c-25.238,30.225) -25.238,32.765 S243.1@-23.556,32.765 -23.556,31.242 ccw(c-21.016,31.242) -21.016,28.702 -11.571,28.702 ccw(c-11.571,31.242) -9.031,31.242 S243.1@-9.031,32.265
NetD244_1: D244.1 S244.1 | length 8.6
  Component Side w0.203: D244.1@-41.275,28.9 -41.275,30.225 cw(c-38.735,30.225) -38.735,32.765 S244.1@-35.46,32.765
NetD245_1: D245.1 S245.1 | length 9.7
  Component Side w0.203: D245.1@-61.468,28.9 -61.468,30.225 cw(c-58.928,30.225) -58.928,32.765 S245.1@-54.512,32.765
NetD246_1: D246.1 S246.1 | length 9.9
  Component Side w0.203: D246.1@-80.645,28.9 -80.645,30.225 cw(c-78.105,30.225) -78.105,32.765 S246.1@-73.562,32.765
NetD247_1: D247.1 S247.1 | length 7.6
  Component Side w0.203: D247.1@-97.409,28.9 -97.409,30.225 cw(c-94.869,30.225) -94.869,32.765 S247.1@-92.612,32.765
NetD248_1: D248.1 S248.1 | length 9.1
  Component Side w0.203: S248.1@-106.662,32.265 -102.362,32.265 cw(c-102.362,29.725) -99.822,29.725 D248.1@-99.822,28.9
NetD249_1: D249.1 S249.1 | length 8.7
  Component Side w0.254: D249.1@-136.652,28.9 -136.652,30.225 cw(c-134.112,30.225) -134.112,32.765 S249.1@-130.712,32.765
NetD250_1: D250.1 S250.1 | length 7.8
  Component Side w0.203: S250.1@-144.762,32.265 -141.732,32.265 cw(c-141.732,29.725) -139.192,29.725 D250.1@-139.192,28.9
NetD251_1: D251.1 S251.1 | length 9.9
  Component Side w0.203: D251.1@-175.895,28.9 -175.895,30.225 cw(c-173.355,30.225) -173.355,32.765 S251.1@-168.812,32.765